# KiCad board SCART_switcher.kicad_pcb (continued)
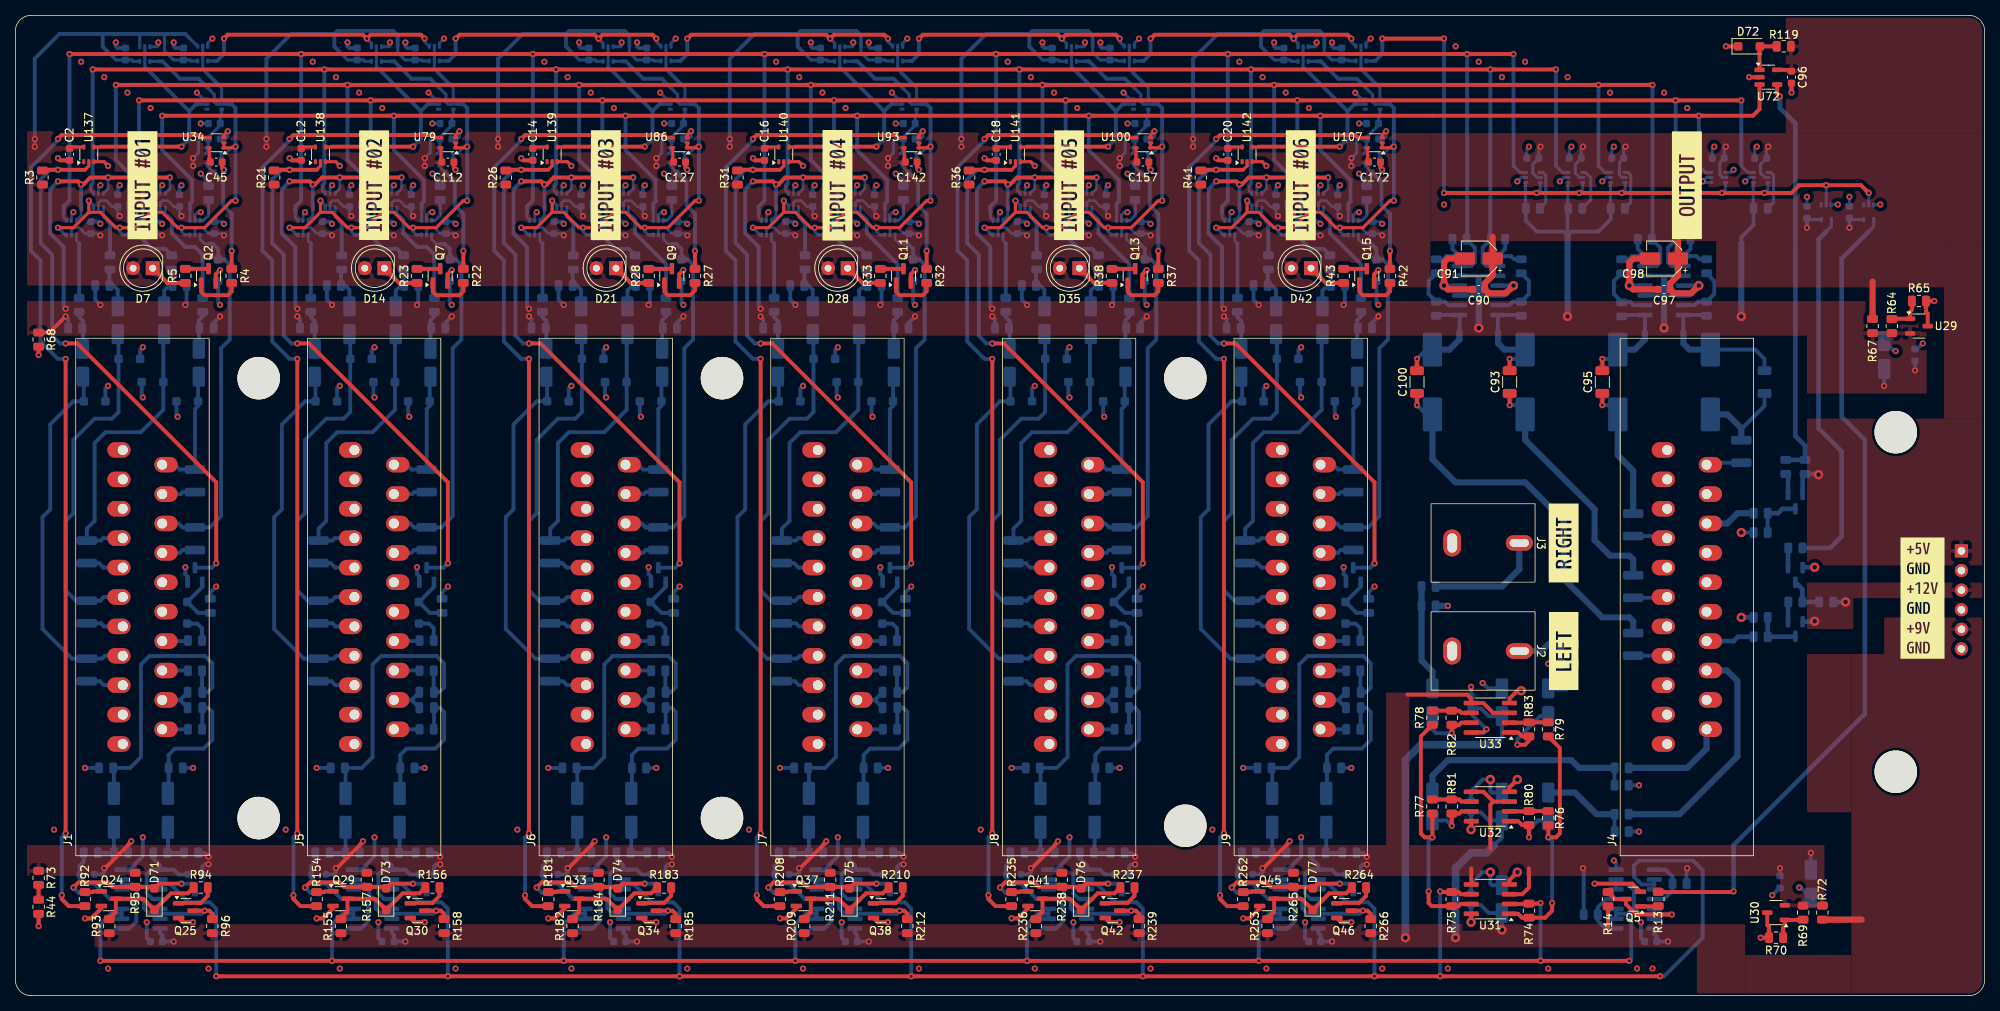
[diagram p0: board, top side]
## Placement (name value [footprint] x y rotation side) (continued)
R153  1kR  [R_0805_2012Metric]  54.25 89.5 90 bottom
R154  10kR  [R_0805_2012Metric]  39 12.5 90 top
R155  4k7R  [R_0805_2012Metric]  42.15 9 90 top
R156  10kR  [R_0805_2012Metric]  54 14 0 top
R157  220kR  [R_0805_2012Metric]  45.5 15 90 top
R158  4k7R  [R_0805_2012Metric]  55.5 9 90 top
R159  100R  [R_0805_2012Metric]  53.25 42.1 0 bottom
R160  100R  [R_0805_2012Metric]  53.25 34.5 0 bottom
R161  220kR  [R_0805_2012Metric]  41.75 29.5 180 bottom
R162  220kR  [R_0805_2012Metric]  50.75 29.5 0 bottom
R163  100kR  [R_0805_2012Metric]  43.66 18.5 0 bottom
R164  100kR  [R_0805_2012Metric]  52.75 18.5 0 bottom
R165  20kR  [R_0805_2012Metric]  39.75 18.5 180 bottom
R166  20kR  [R_0805_2012Metric]  48.75 18.5 180 bottom
R167  75R  [R_1210_3225Metric]  69.25 49.7 270 bottom
R168  75R  [R_1210_3225Metric]  69.25 57.5 270 bottom
R169  100kR  [R_0805_2012Metric]  71.25 92 180 bottom
R170  100kR  [R_0805_2012Metric]  81.25 92 0 bottom
R171  75R  [R_1210_3225Metric]  83.25 59.2 270 bottom
R172  1kR  [R_0805_2012Metric]  72.25 95 90 bottom
R173  1kR  [R_0805_2012Metric]  80.25 95 90 bottom
R174  10kR  [R_0805_2012Metric]  85 104 90 bottom
R175  75R  [R_1210_3225Metric]  69.25 42.2 270 bottom
R176  75R  [R_1210_3225Metric]  83.25 66.7 270 bottom
R177  100kR  [R_0805_2012Metric]  67.75 86.5 180 bottom
R178  100kR  [R_0805_2012Metric]  84.75 86.5 0 bottom
R179  1kR  [R_0805_2012Metric]  68.25 89.5 90 bottom
R180  1kR  [R_0805_2012Metric]  84.25 89.5 90 bottom
R181  10kR  [R_0805_2012Metric]  69 12.5 90 top
R182  4k7R  [R_0805_2012Metric]  72.15 9 90 top
R183  10kR  [R_0805_2012Metric]  84 14 0 top
R184  220kR  [R_0805_2012Metric]  75.5 15 90 top
R185  4k7R  [R_0805_2012Metric]  85.5 9 90 top
R186  100R  [R_0805_2012Metric]  83.25 42.1 0 bottom
R187  100R  [R_0805_2012Metric]  83.25 34.5 0 bottom
R188  220kR  [R_0805_2012Metric]  71.75 29.5 180 bottom
R189  220kR  [R_0805_2012Metric]  80.75 29.5 0 bottom
R190  100kR  [R_0805_2012Metric]  73.66 18.5 0 bottom
R191  100kR  [R_0805_2012Metric]  82.75 18.5 0 bottom
R192  20kR  [R_0805_2012Metric]  69.75 18.5 180 bottom
R193  20kR  [R_0805_2012Metric]  78.75 18.5 180 bottom
R194  75R  [R_1210_3225Metric]  99.25 49.7 270 bottom
R195  75R  [R_1210_3225Metric]  99.25 57.5 270 bottom
R196  100kR  [R_0805_2012Metric]  101.25 92 180 bottom
R197  100kR  [R_0805_2012Metric]  111.25 92 0 bottom
R198  75R  [R_1210_3225Metric]  113.25 59.2 270 bottom
R199  1kR  [R_0805_2012Metric]  102.25 95 90 bottom
R200  1kR  [R_0805_2012Metric]  110.25 95 90 bottom
R201  10kR  [R_0805_2012Metric]  115 104 90 bottom
R202  75R  [R_1210_3225Metric]  99.25 42.2 270 bottom
R203  75R  [R_1210_3225Metric]  113.25 66.7 270 bottom
R204  100kR  [R_0805_2012Metric]  97.75 86.5 180 bottom
R205  100kR  [R_0805_2012Metric]  114.75 86.5 0 bottom
R206  1kR  [R_0805_2012Metric]  98.25 89.5 90 bottom
R207  1kR  [R_0805_2012Metric]  114.25 89.5 90 bottom
R208  10kR  [R_0805_2012Metric]  99 12.5 90 top
R209  4k7R  [R_0805_2012Metric]  102.15 9 90 top
R210  10kR  [R_0805_2012Metric]  114 14 0 top
R211  220kR  [R_0805_2012Metric]  105.5 15 90 top
R212  4k7R  [R_0805_2012Metric]  115.5 9 90 top
R213  100R  [R_0805_2012Metric]  113.25 42.1 0 bottom
R214  100R  [R_0805_2012Metric]  113.25 34.5 0 bottom
R215  220kR  [R_0805_2012Metric]  101.75 29.5 180 bottom
R216  220kR  [R_0805_2012Metric]  110.75 29.5 0 bottom
R217  100kR  [R_0805_2012Metric]  103.66 18.5 0 bottom
R218  100kR  [R_0805_2012Metric]  112.75 18.5 0 bottom
R219  20kR  [R_0805_2012Metric]  99.75 18.5 180 bottom
R220  20kR  [R_0805_2012Metric]  108.75 18.5 180 bottom
R221  75R  [R_1210_3225Metric]  129.25 49.7 270 bottom
R222  75R  [R_1210_3225Metric]  129.25 57.5 270 bottom
R223  100kR  [R_0805_2012Metric]  131.25 92 180 bottom
R224  100kR  [R_0805_2012Metric]  141.25 92 0 bottom
R225  75R  [R_1210_3225Metric]  143.25 59.2 270 bottom
R226  1kR  [R_0805_2012Metric]  132.25 95 90 bottom
R227  1kR  [R_0805_2012Metric]  140.25 95 90 bottom
R228  10kR  [R_0805_2012Metric]  145 104 90 bottom
R229  75R  [R_1210_3225Metric]  129.25 42.2 270 bottom
R230  75R  [R_1210_3225Metric]  143.25 66.7 270 bottom
R231  100kR  [R_0805_2012Metric]  127.75 86.5 180 bottom
R232  100kR  [R_0805_2012Metric]  144.75 86.5 0 bottom
R233  1kR  [R_0805_2012Metric]  128.25 89.5 90 bottom
R234  1kR  [R_0805_2012Metric]  144.25 89.5 90 bottom
R235  10kR  [R_0805_2012Metric]  129 12.5 90 top
R236  4k7R  [R_0805_2012Metric]  132.15 9 90 top
R237  10kR  [R_0805_2012Metric]  144 14 0 top
R238  220kR  [R_0805_2012Metric]  135.5 15 90 top
R239  4k7R  [R_0805_2012Metric]  145.5 9 90 top
R240  100R  [R_0805_2012Metric]  143.25 42.1 0 bottom
R241  100R  [R_0805_2012Metric]  143.25 34.5 0 bottom
R242  220kR  [R_0805_2012Metric]  131.75 29.5 180 bottom
R243  220kR  [R_0805_2012Metric]  140.75 29.5 0 bottom
R244  100kR  [R_0805_2012Metric]  133.66 18.5 0 bottom
R245  100kR  [R_0805_2012Metric]  142.75 18.5 0 bottom
R246  20kR  [R_0805_2012Metric]  129.75 18.5 180 bottom
R247  20kR  [R_0805_2012Metric]  138.75 18.5 180 bottom
R248  75R  [R_1210_3225Metric]  159.25 49.7 270 bottom
R249  75R  [R_1210_3225Metric]  159.25 57.5 270 bottom
R250  100kR  [R_0805_2012Metric]  161.25 92 180 bottom
R251  100kR  [R_0805_2012Metric]  171.25 92 0 bottom
R252  75R  [R_1210_3225Metric]  173.25 59.2 270 bottom
R253  1kR  [R_0805_2012Metric]  162.25 95 90 bottom
R254  1kR  [R_0805_2012Metric]  170.25 95 90 bottom
R255  10kR  [R_0805_2012Metric]  175 104 90 bottom
R256  75R  [R_1210_3225Metric]  159.25 42.2 270 bottom
R257  75R  [R_1210_3225Metric]  173.25 66.7 270 bottom
R258  100kR  [R_0805_2012Metric]  157.75 86.5 180 bottom
R259  100kR  [R_0805_2012Metric]  174.75 86.5 0 bottom
R260  1kR  [R_0805_2012Metric]  158.25 89.5 90 bottom
R261  1kR  [R_0805_2012Metric]  174.25 89.5 90 bottom
R262  10kR  [R_0805_2012Metric]  159 12.5 90 top
R263  4k7R  [R_0805_2012Metric]  162.15 9 90 top
R264  10kR  [R_0805_2012Metric]  174 14 0 top
R265  220kR  [R_0805_2012Metric]  165.5 15 90 top
R266  4k7R  [R_0805_2012Metric]  175.5 9 90 top
R267  100R  [R_0805_2012Metric]  173.25 42.1 0 bottom
R268  100R  [R_0805_2012Metric]  173.25 34.5 0 bottom
R269  220kR  [R_0805_2012Metric]  161.75 29.5 180 bottom
R270  220kR  [R_0805_2012Metric]  170.75 29.5 0 bottom
R271  100kR  [R_0805_2012Metric]  163.66 18.5 0 bottom
R272  100kR  [R_0805_2012Metric]  172.75 18.5 0 bottom
R273  20kR  [R_0805_2012Metric]  159.75 18.5 180 bottom
R274  20kR  [R_0805_2012Metric]  168.75 18.5 180 bottom
U2  74LVC1G08  [SOT-353_SC-70-5]  25.75 108.5 180 bottom
U3  74LVC1G04  [SOT-353_SC-70-5]  234.5 101.5 270 bottom
U4  74LVC1G04  [SOT-353_SC-70-5]  240 101.5 270 bottom
U5  74LVC1G3157  [SOT-363_SC-70-6]  202 106 0 bottom
U6  74LVC1G3157  [SOT-363_SC-70-6]  207.5 106 0 bottom
U7  74LVC1G3157  [SOT-363_SC-70-6]  220.5 106 0 bottom
U8  CD4066  [SOIC-14_3.9x8.7mm_P1.27mm]  209.75 12.5 0 bottom
U9  74LVC1G3157  [SOT-363_SC-70-6]  196.5 106 0 bottom
U10  74LVC1G3157  [SOT-363_SC-70-6]  226 106 0 bottom
U12  74LVC1G08  [SOT-353_SC-70-5]  55.75 108.5 180 bottom
U14  74LVC1G08  [SOT-353_SC-70-5]  85.75 108.5 180 bottom
U16  74LVC1G08  [SOT-353_SC-70-5]  115.75 108.5 180 bottom
U18  74LVC1G08  [SOT-353_SC-70-5]  145.75 108.5 180 bottom
U20  74LVC1G08  [SOT-353_SC-70-5]  175.75 108.5 180 bottom
U29  LM4041LP-ADJ  [SOT-23-3]  246.5 86.75 0 top
U30  LM4041LP-ADJ  [SOT-23-3]  228 10.75 180 top
U31  OPA1656  [SOIC-8_3.9x4.9mm_P1.27mm]  191 12.5 180 top
U32  OPA1656  [SOIC-8_3.9x4.9mm_P1.27mm]  191 24.5 180 top
U33  OPA1656  [SOIC-8_3.9x4.9mm_P1.27mm]  191 36 180 top
U34  74LVC1G08  [SOT-353_SC-70-5]  26.05 110.5 180 top
U35  CD4066  [SOIC-14_3.9x8.7mm_P1.27mm]  16.25 12.5 0 bottom
U36  74LVC1G04  [SOT-353_SC-70-5]  25.75 115.5 0 bottom
U37  74LVC1G08  [SOT-353_SC-70-5]  16.75 122 270 bottom
U38  74LVC1G08  [SOT-353_SC-70-5]  24.25 122.05 270 bottom
U39  74LVC1G04  [SOT-353_SC-70-5]  55.75 115.5 0 bottom
U40  74LVC1G08  [SOT-353_SC-70-5]  46.75 122 270 bottom
U41  74LVC1G08  [SOT-353_SC-70-5]  54.25 122.05 270 bottom
U42  74LVC1G04  [SOT-353_SC-70-5]  85.75 115.5 0 bottom
U43  74LVC1G08  [SOT-353_SC-70-5]  76.75 122 270 bottom
U44  74LVC1G08  [SOT-353_SC-70-5]  84.25 122.05 270 bottom
U45  74LVC1G04  [SOT-353_SC-70-5]  115.75 115.5 0 bottom
U46  74LVC1G08  [SOT-353_SC-70-5]  106.75 122 270 bottom
U47  74LVC1G08  [SOT-353_SC-70-5]  114.25 122.05 270 bottom
U48  74LVC1G04  [SOT-353_SC-70-5]  145.75 115.5 0 bottom
U49  74LVC1G08  [SOT-353_SC-70-5]  136.75 122 270 bottom
U50  74LVC1G08  [SOT-353_SC-70-5]  144.25 122.05 270 bottom
U51  74LVC1G04  [SOT-353_SC-70-5]  175.75 115.5 0 bottom
U52  74LVC1G08  [SOT-353_SC-70-5]  166.75 122 270 bottom
U53  74LVC1G08  [SOT-353_SC-70-5]  174.25 122.05 270 bottom
U60  74LVC1G3157  [SOT-363_SC-70-6]  10.75 103 270 bottom
U61  74LVC1G3157  [SOT-363_SC-70-6]  15.25 99.5 270 bottom
U62  74LVC1G3157  [SOT-363_SC-70-6]  23.25 99.5 270 bottom
U63  74LVC1G3157  [SOT-363_SC-70-6]  7.25 99.5 270 bottom
U64  74LVC1G3157  [SOT-363_SC-70-6]  18.75 103 270 bottom
U71  OPA4354  [SOIC-14_3.9x8.7mm_P1.27mm]  189.5 92 180 bottom
U72  LMV331  [SOT-23-5]  227 119 0 top
U73  OPA4354  [SOIC-14_3.9x8.7mm_P1.27mm]  213.5 92 180 bottom
U74  74LVC1G3157  [SOT-363_SC-70-6]  40.75 103 270 bottom
U75  74LVC1G3157  [SOT-363_SC-70-6]  45.25 99.5 270 bottom
U76  74LVC1G3157  [SOT-363_SC-70-6]  53.25 99.5 270 bottom
U77  74LVC1G3157  [SOT-363_SC-70-6]  37.25 99.5 270 bottom
U78  74LVC1G3157  [SOT-363_SC-70-6]  48.75 103 270 bottom
U79  74LVC1G08  [SOT-353_SC-70-5]  56.05 110.5 180 top
U80  CD4066  [SOIC-14_3.9x8.7mm_P1.27mm]  46.25 12.5 0 bottom
U81  74LVC1G3157  [SOT-363_SC-70-6]  70.75 103 270 bottom
U82  74LVC1G3157  [SOT-363_SC-70-6]  75.25 99.5 270 bottom
U83  74LVC1G3157  [SOT-363_SC-70-6]  83.25 99.5 270 bottom
U84  74LVC1G3157  [SOT-363_SC-70-6]  67.25 99.5 270 bottom
U85  74LVC1G3157  [SOT-363_SC-70-6]  78.75 103 270 bottom
U86  74LVC1G08  [SOT-353_SC-70-5]  86.05 110.5 180 top
U87  CD4066  [SOIC-14_3.9x8.7mm_P1.27mm]  76.25 12.5 0 bottom
U88  74LVC1G3157  [SOT-363_SC-70-6]  100.75 103 270 bottom
U89  74LVC1G3157  [SOT-363_SC-70-6]  105.25 99.5 270 bottom
U90  74LVC1G3157  [SOT-363_SC-70-6]  113.25 99.5 270 bottom
U91  74LVC1G3157  [SOT-363_SC-70-6]  97.25 99.5 270 bottom
U92  74LVC1G3157  [SOT-363_SC-70-6]  108.75 103 270 bottom
U93  74LVC1G08  [SOT-353_SC-70-5]  116.05 110.5 180 top
U94  CD4066  [SOIC-14_3.9x8.7mm_P1.27mm]  106.25 12.5 0 bottom
U95  74LVC1G3157  [SOT-363_SC-70-6]  130.75 103 270 bottom
U96  74LVC1G3157  [SOT-363_SC-70-6]  135.25 99.5 270 bottom
U97  74LVC1G3157  [SOT-363_SC-70-6]  143.25 99.5 270 bottom
U98  74LVC1G3157  [SOT-363_SC-70-6]  127.25 99.5 270 bottom
U99  74LVC1G3157  [SOT-363_SC-70-6]  138.75 103 270 bottom
U100  74LVC1G08  [SOT-353_SC-70-5]  146.05 110.5 180 top
U101  CD4066  [SOIC-14_3.9x8.7mm_P1.27mm]  136.25 12.5 0 bottom
U102  74LVC1G3157  [SOT-363_SC-70-6]  160.75 103 270 bottom
U103  74LVC1G3157  [SOT-363_SC-70-6]  165.25 99.5 270 bottom
U104  74LVC1G3157  [SOT-363_SC-70-6]  173.25 99.5 270 bottom
U105  74LVC1G3157  [SOT-363_SC-70-6]  157.25 99.5 270 bottom
U106  74LVC1G3157  [SOT-363_SC-70-6]  168.75 103 270 bottom
U107  74LVC1G08  [SOT-353_SC-70-5]  176.05 110.5 180 top
U108  CD4066  [SOIC-14_3.9x8.7mm_P1.27mm]  166.25 12.5 0 bottom
U137  74LVC1G14  [SOT-353_SC-70-5]  9.5 109 90 top
U138  74LVC1G14  [SOT-353_SC-70-5]  39.5 109 90 top
U139  74LVC1G14  [SOT-353_SC-70-5]  69.5 109 90 top
U140  74LVC1G14  [SOT-353_SC-70-5]  99.5 109 90 top
U141  74LVC1G14  [SOT-353_SC-70-5]  129.5 109 90 top
U142  74LVC1G14  [SOT-353_SC-70-5]  159.5 109 90 top

## Library data of the parts
C1-C20 C30 C33 C35-C37 C45 C50-C68 C77-C79 C82 C83 C90 C96 C97 C105-C107 C110-C112 C117 C120-C122 C125-C127 C132 C135-C137 C140-C142 C147 C150-C152 C155-C157 C162 C165-C167 C170-C172 C177 = -: Datasheet: https://datasheet.lcsc.com/lcsc/1810271710_Samsung-Electro-Mechanics-CL10B104KO8NNNC_C66501.pdf; MPN: CL10B104KO8NNNC; Status: OK; ki_fp_filters: C_*
C31 C34 C38-C44 C91 C98 = -: Datasheet: https://www.lcsc.com/datasheet/lcsc_datasheet_2409291036_Nichicon-UWT1C100MCL1GB_C445074.pdf; MPN: UWT1C100MCL1GB; Status: OK; ki_fp_filters: CP_*
C46 C47 C113 C114 C128 C129 C143 C144 C158 C159 C173 C174 = -: Datasheet: https://datasheet.lcsc.com/lcsc/2304140030_YAGEO-CC0805JRNPO9BN102_C62774.pdf; Status: OK; MPN: CC0805JRNPO9BN102; ki_fp_filters: C_*
C48 C49 C115 C116 C130 C131 C145 C146 C160 C161 C175 C176 = -: Datasheet: https://www.lcsc.com/datasheet/lcsc_datasheet_2409291036_Nichicon-UWT1C220MCL1GB_C445073.pdf; MPN: UWT1C220MCL1GB; Status: OK; ki_fp_filters: CP_*
C75 C76 C80 C81 C103 C104 C108 C109 C118 C119 C123 C124 C133 C134 C138 C139 C148 C149 C153 C154 C163 C164 C168 C169 = -: Datasheet: https://www.lcsc.com/datasheet/lcsc_datasheet_1912111437_PANASONIC-EEEFKJ470UAR_C401735.pdf; MPN: EEEFKJ470UAR; Status: OK; ki_fp_filters: CP_*
C92 C94 C99 C101 = -: Datasheet: https://datasheet.lcsc.com/lcsc/2304140030_PANASONIC-EEEFT1C102AP_C178587.pdf; Status: OK; MPN: EEEFT1C102AP; ki_fp_filters: CP_*
C93 C95 C100 C102 = -: Datasheet: https://datasheet.lcsc.com/lcsc/1810201313_Murata-Electronics-GRM31C5C1H104JA01L_C97946.pdf; MPN: GRM31C5C1H104JA01L; Status: OK; ki_fp_filters: C_*
D1-D5 D8-D12 D15-D19 D22-D26 D29-D33 D36-D40 = -: Datasheet: https://datasheet.lcsc.com/lcsc/2304140030_Nexperia-BZT52H-B6V8-115_C550337.pdf; MPN: BZT52H-B6V8,115; MPN_MOUSER: BZT52H-B6V8,115; Status: OK; ki_fp_filters: D?SOD?123F*
D6 D13 D20 D27 D34 D41 = -: Datasheet: https://datasheet.lcsc.com/lcsc/1806151527_Nexperia-BZT52H-C3V3-115_C59206.pdf; MPN: BZT52H-C3V3,115; MPN_MOUSER: BZT52H-C3V3,115; Status: OK; ki_fp_filters: D?SOD?123F*
D7 D14 D21 D28 D35 D42 = -: Datasheet: https://datasheet.lcsc.com/lcsc/1810271709_Everlight-Elec-333-2SURD-S530-A3_C87271.pdf; MPN: 333-2SURD/S530-A3; Status: OK; ki_fp_filters: LED* LED_SMD:* LED_THT:*
D71-D77 = -: Datasheet: https://datasheet.lcsc.com/lcsc/2304140030_Nexperia-BAS16H-115_C130413.pdf; MPN: BAS16H,115; MPN_MOUSER: BAS16H,115; Status: OK; ki_fp_filters: D*SOD?323*
H1-H8 = -: Description: Mounting Hole without connection; ki_fp_filters: MountingHole*
J1 J4-J9 = -: Description: Prise Peritel; Status: OK
J2 J3 = -: Description: coaxial connector (BNC, SMA, SMB, SMC, Cinch/RCA, LEMO, ...); Status: OK; ki_fp_filters: *BNC* *SMA* *SMB* *SMC* *Cinch* *LEMO* *UMRF* *MCX* *U.FL*
J14 = -: ki_fp_filters: Connector*:*_1x??_*
Q1-Q3 Q5-Q15 Q24 Q25 Q29 Q30 Q33 Q34 Q37 Q38 Q41 Q42 Q45 Q46 = -: Datasheet: https://datasheet.lcsc.com/lcsc/1811141238_Nexperia-BC847C-215_C8664.pdf; MPN: BC847C,215; Status: OK; MPN_MOUSER: BC847C,215; ki_fp_filters: SOT?23*
Q4 Q28 = -: Datasheet: https://datasheet.lcsc.com/lcsc/2304140030_Nexperia-BC857C-215_C8666.pdf; Status: OK; MPN: BC857C,215; MPN_MOUSER: BC857C,215; ki_fp_filters: SOT?23*
Q26 Q27 Q31 Q32 Q35 Q36 Q39 Q40 Q43 Q44 Q47 Q48 = -: Datasheet: https://datasheet.lcsc.com/lcsc/1810271708_TOSHIBA-2SK209-GR-TE85L-F_C61792.pdf; MPN: 2SK209-GR(TE85L,F); Status: OK; MPN_MOUSER: MMBFJ113; ki_fp_filters: SOT?23*
R1 R6-R8 R13 R19 R24 R29 R34 R39 R92 R94 R112 R127 R147 R154 R156 R174 R181 R183 R201 R208 R210 R228 R235 R237 R255 R262 R264 = -: Datasheet: https://datasheet.lcsc.com/lcsc/1810171610_YAGEO-RC0805JR-0710KL_C100047.pdf; MPN: RC0805JR-0710KL; Status: OK; R % tol: 5%; R pwr: 125mW; ki_fp_filters: R_*
R2 R20 R25 R30 R35 R40 R84-R87 R95 R99 R100 R157 R161 R162 R184 R188 R189 R211 R215 R216 R238 R242 R243 R265 R269 R270 = -: Datasheet: https://datasheet.lcsc.com/lcsc/1810311425_YAGEO-RC0805JR-07220KL_C114232.pdf; Status: OK; MPN: RC0805JR-07220KL; R % tol: 5%; R pwr: 125mW; ki_fp_filters: R_*
R3 R4 R14 R21 R22 R26 R27 R31 R32 R36 R37 R41 R42 R93 R96 R119 R124 R155 R158 R182 R185 R209 R212 R236 R239 R263 R266 = -: Datasheet: https://datasheet.lcsc.com/lcsc/2304140030_YAGEO-RC0805JR-074K7L_C105427.pdf; Status: OK; MPN: RC0805JR-074K7L; R % tol: 5%; R pwr: 125mW; ki_fp_filters: R_*
R5 R23 R28 R33 R38 R43 = -: Datasheet: https://www.lcsc.com/datasheet/lcsc_datasheet_2304140030_YAGEO-RC0805FR-07300RL_C114529.pdf; Status: OK; MPN: RC0805FR-07300RL; R % tol: 5%; R pwr: 500mW; ki_fp_filters: R_*
R9 = -: Datasheet: https://datasheet.lcsc.com/lcsc/2304140030_YAGEO-RC0805JR-07100KL_C100049.pdf; MPN: RC0805JR-07100KL; Status: OK; R % tol: 5%; R pwr: 125mW; ki_fp_filters: R_*
R10 R88-R91 R97 R98 R129 R159 R160 R186 R187 R213 R214 R240 R241 R267 R268 = -: Datasheet: https://datasheet.lcsc.com/lcsc/2304140030_YAGEO-RT0805FRD07100RL_C143843.pdf; Status: OK; MPN: RT0805FRD07100RL; R % tol: 1%; R pwr: 125mW; ki_fp_filters: R_*
R11 R12 R15-R18 R101 R102 R107 R108 R115 R116 R128 R142 R143 R150 R151 R163 R164 R169 R170 R177 R178 R190 R191 R196 R197 R204 R205 R217 R218 R223 R224 R231 R232 R244 R245 R250 R251 R258 R259 R271 R272 = -: Datasheet: https://datasheet.lcsc.com/lcsc/2304140030_YAGEO-RC0805JR-07100KL_C100049.pdf; Status: OK; MPN: RC0805JR-07100KL; R % tol: 5%; R pwr: 125mW; ki_fp_filters: R_*
R44 R65 R68 R70 R73 = -: Datasheet: https://datasheet.lcsc.com/lcsc/2304140030_YAGEO-RT0805BRD071KL_C110774.pdf; MPN: RT0805BRD071KL; Status: OK; R % tol: 0.1%; R pwr: 125mW; ki_fp_filters: R_*
R64 = -: Datasheet: https://www.lcsc.com/datasheet/lcsc_datasheet_2409280130_RESI-PTFR0805B976RP9_C2849392.pdf; MPN: PTFR0805B976RP9; Status: OK; R % tol: 0.1%; R pwr: 125mW; ki_fp_filters: R_*
R67 = -: Datasheet: https://www.lcsc.com/datasheet/lcsc_datasheet_2409280130_RESI-PTFR0805B523RP9_C2849265.pdf; MPN: PTFR0805B523RP9; Status: OK; ki_fp_filters: R_*
R69 = -: Datasheet: https://datasheet.lcsc.com/lcsc/2310201549_RESI-PTFR0805B374RP9_C2849198.pdf; MPN: PTFR0805B374RP9; Status: OK; R % tol: 0.1%; R pwr: 130mW; ki_fp_filters: R_*
R72 = -: Datasheet: https://www.lcsc.com/datasheet/lcsc_datasheet_2409280130_RESI-PTFR0805B681RP9_C2849316.pdf; MPN: PTFR0805B681RP9; Status: OK; ki_fp_filters: R_*
R74-R83 R103 R104 R165 R166 R192 R193 R219 R220 R246 R247 R273 R274 = -: Datasheet: https://www.lcsc.com/datasheet/lcsc_datasheet_2311211102_YAGEO-RT0805BRD0720KL_C469660.pdf; Status: OK; MPN: RT0805BRD0720KL; R % tol: 1%; R pwr: 125mW; ki_fp_filters: R_*
R105 R106 R109 R113 R114 R130 R131 R138-R141 R144 R148 R149 R167 R168 R171 R175 R176 R194 R195 R198 R202 R203 R221 R222 R225 R229 R230 R248 R249 R252 R256 R257 = -: Datasheet: https://datasheet.lcsc.com/lcsc/2304140030_YAGEO-AC1210FR-0775RL_C230341.pdf; Status: OK; MPN: AC1210FR-0775RL; R % tol: 1%; R pwr: 500mW; ki_fp_filters: R_*
R110 R111 R117 R118 R120-R123 R132-R135 R145 R146 R152 R153 R172 R173 R179 R180 R199 R200 R206 R207 R226 R227 R233 R234 R253 R254 R260 R261 = -: Datasheet: https://datasheet.lcsc.com/lcsc/2304140030_YAGEO-RT0805BRD071KL_C110774.pdf; Status: OK; MPN: RT0805BRD071KL; R % tol: 0.1%; R pwr: 125mW; ki_fp_filters: R_*
R125 R126 R136 R137 = -: Datasheet: https://datasheet.lcsc.com/lcsc/2010201809_YAGEO-RT0805BRE072KL_C706274.pdf; Status: OK; MPN: RT0805BRE072KL; R % tol: 0.1%; R pwr: 125mW; ki_fp_filters: R_*
U2 U12 U14 U16 U18 U20 U34 U37 U38 U40 U41 U43 U44 U46 U47 U49 U50 U52 U53 U79 U86 U93 U100 U107 = -: Datasheet: https://datasheet.lcsc.com/lcsc/1809051811_Texas-Instruments-SN74LVC1G08DCKR_C7832.pdf; MPN: SN74LVC1G08DCKR; Status: OK; MPN_MOUSER: SN74LVC1G08DCKR; ki_fp_filters: SOT* SG-*
U3 U4 U36 U39 U42 U45 U48 U51 = -: Datasheet: https://datasheet.lcsc.com/lcsc/1811021113_Texas-Instruments-SN74LVC1G04DCKR_C8207.pdf; MPN: SN74LVC1G04DCKR; Status: OK; MPN_MOUSER: SN74LVC1G04DCKR; ki_fp_filters: SOT* SG-*
U5-U7 U9 U10 U60-U64 U74-U78 U81-U85 U88-U92 U95-U99 U102-U106 = -: Datasheet: https://datasheet.lcsc.com/lcsc/1811031937_Texas-Instruments-SN74LVC1G3157DCKR_C38663.pdf; MPN: SN74LVC1G3157DCKR; Status: OK; MPN_MOUSER: SN74LVC1G3157DCKR; ki_fp_filters: SOT?23*
U8 U35 U80 U87 U94 U101 U108 = -: Datasheet: https://datasheet.lcsc.com/lcsc/1810171510_Texas-Instruments-CD4066BM96_C54755.pdf; MPN: CD4066BM96; Status: OK; MPN_MOUSER: CD4066BM96; ki_fp_filters: TSSOP*4.4x5mm*P0.65mm*
U29 U30 = -: Datasheet: https://datasheet.lcsc.com/lcsc/2303020130_Texas-Instruments-LM4041DIDBZT_C1848455.pdf; MPN: LM4041DIDBZT; Status: OK; MPN_MOUSER: LM4041DIDBZT; ki_fp_filters: TO?92*
U31-U33 = -: Datasheet: https://datasheet.lcsc.com/lcsc/2303020130_Texas-Instruments-OPA1656IDR_C1849431.pdf; MPN: OPA1656IDR; Status: OK; MPN_MOUSER: OPA1656IDR; ki_fp_filters: SOIC*3.9x4.9mm*P1.27mm* DIP*W7.62mm* TO*99* OnSemi*Micro8* TSSOP*3x3mm*P0.65mm* TSSOP*4.4x3mm*P0.65mm* MSOP*3x3mm*P0.65mm* SSOP*3.9x4.9mm*P0.635mm* LFCSP*2x2mm*P0.5mm* *SIP* SOIC*5.3x6.2mm*P1.27mm*
U71 U73 = -: Datasheet: https://datasheet.lcsc.com/lcsc/1912111437_Texas-Instruments-OPA4354AIDR_C440031.pdf; MPN: OPA4354AIDR; Status: OK; MPN_MOUSER: OPA4354AIDR; ki_fp_filters: SOIC*3.9x8.7mm*P1.27mm*
U72 = -: Datasheet: https://datasheet.lcsc.com/lcsc/1809251740_Texas-Instruments-LMV331IDBVR_C34731.pdf; MPN: LMV331IDBVR; Status: OK; MPN_MOUSER: LMV331IDBVR; ki_fp_filters: SOT?23* *SC?70*
U137-U142 = -: Datasheet: https://datasheet.lcsc.com/lcsc/1811032110_Texas-Instruments-SN74LVC1G14DCKR_C35740.pdf; Description: Single Schmitt NOT Gate, Low-Voltage CMOS; MPN: SN74LVC1G14DCKR; MPN_MOUSER: SN74LVC1G14DCKR; Status: OK; ki_fp_filters: SOT?23* SOT?553*

## Footprints (pads in the part's own frame, mm; a bottom-side part is the same pattern mirrored in y, then rotated)
C_0603_1608Metric
  rrect 0.9x0.95 smd: 1(-0.775,0) 2(0.775,0)
C_0805_2012Metric
  rrect 1x1.45 smd: 1(-0.95,0) 2(0.95,0)
C_1206_3216Metric
  rrect 1.15x1.8 smd: 1(-1.475,0) 2(1.475,0)
CP_Elec_4x5.4
  rrect 2.6x1.6 smd: 1(-1.8,0) 2(1.8,0)
CP_Elec_4x5.8
  rrect 2.6x1.6 smd: 1(-1.8,0) 2(1.8,0)
CP_Elec_5x5.4
  rrect 3x1.6 smd: 1(-2.2,0) 2(2.2,0)
CP_Elec_10x10.5
  rrect 4.4x2.5 smd: 1(-4.2,0) 2(4.2,0)
D_SOD-123F
  rrect 1.1x1.1 smd: 1(-1.4,0) 2(1.4,0)
LED_D5.0mm
  rect 1.8x1.8 hole 0.9: 1(0,0)
  round 1.8 hole 0.9: 2(2.54,0)
MountingHole_5.5mm
  round 5.5 hole 5.5 unplated: (0,0)
PinHeader_1x06_P2.54mm_Vertical
  rect 1.7x1.7 hole 1: 1(0,0)
  oval 1.7x1.7 hole 1: 2(0,-2.54) 3(0,-5.08) 4(0,-7.62) 5(0,-10.16) 6(0,-12.7)
R_0805_2012Metric
  rrect 1.025x1.4 smd: 1(-0.912,0) 2(0.912,0)
R_1210_3225Metric
  rrect 1.125x2.65 smd: 1(-1.462,0) 2(1.462,0)
RCA_Vertical
  oval 2x3.5 hole 1x2.5: 1(0,3.3)
  oval 3.5x2.3 hole 2.5x1.3: 2(0,-5.4)
SC-59
  rrect 0.9x0.8 smd: 1(-1.2,0.95) 2(-1.2,-0.95) 3(1.2,0)
SCART-F
  oval 2x3 hole 1.3: 1(-19.05,2.55) 2(-17.145,-2.55) 3(-15.24,2.55) 4(-13.335,-2.55) 5(-11.43,2.55) 6(-9.525,-2.55) 7(-7.62,2.55) 8(-5.715,-2.55) 9(-3.81,2.55) 10(-1.905,-2.55) 11(0,2.55) 12(1.905,-2.55) 13(3.81,2.55) 14(5.715,-2.55) 15(7.62,2.55) 16(9.525,-2.55) 17(11.43,2.55) 18(13.335,-2.55) 19(15.24,2.55) 20(17.145,-2.55) 21(19.05,2.55)
SOIC-8_3.9x4.9mm_P1.27mm
  rrect 1.95x0.6 smd: 1(-2.475,1.905) 2(-2.475,0.635) 3(-2.475,-0.635) 4(-2.475,-1.905) 5(2.475,-1.905) 6(2.475,-0.635) 7(2.475,0.635) 8(2.475,1.905)
SOIC-14_3.9x8.7mm_P1.27mm
  rrect 1.95x0.6 smd: 1(-2.475,3.81) 2(-2.475,2.54) 3(-2.475,1.27) 4(-2.475,0) 5(-2.475,-1.27) 6(-2.475,-2.54) 7(-2.475,-3.81) 8(2.475,-3.81) 9(2.475,-2.54) 10(2.475,-1.27) 11(2.475,0) 12(2.475,1.27) 13(2.475,2.54) 14(2.475,3.81)
SOT-23
  rrect 1.475x0.6 smd: 1(-0.938,0.95) 2(-0.938,-0.95) 3(0.938,0)
SOT-23-3
  rrect 1.325x0.6 smd: 1(-1.137,0.95) 2(-1.137,-0.95) 3(1.137,0)
SOT-23-5
  rrect 1.325x0.6 smd: 1(-1.137,0.95) 2(-1.137,0) 3(-1.137,-0.95) 4(1.137,-0.95) 5(1.137,0.95)
SOT-353_SC-70-5
  rrect 0.65x0.4 smd: 1(-0.95,0.65) 2(-0.95,0) 3(-0.95,-0.65) 4(0.95,-0.65) 5(0.95,0.65)
SOT-363_SC-70-6
  rrect 0.65x0.4 smd: 1(-0.95,0.65) 2(-0.95,0) 3(-0.95,-0.65) 4(0.95,-0.65) 5(0.95,0) 6(0.95,0.65)

## Nets
+2V5: C30.1 C31.1 R11.2 R12.2 R16.2 R17.2 R64.1 R67.2 R68.1 R107.2 R108.2 R115.2 R116.2 R142.2 R143.2 R150.2 R151.2 R169.2 R170.2 R177.2 R178.2 R196.2 R197.2 R204.2 R205.2 R223.2 R224.2 R231.2 R232.2 R250.2 R251.2 R258.2 R259.2 U5.1 U6.1 U9.1 U10.1 U29.2 U60.3 U61.3 U63.3 U64.3 U71.3 U71.5 U71.10 U71.12 U73.3 U73.5 U73.10 U73.12 U74.3 U75.3 U77.3 U78.3 U81.3 U82.3 U84.3 U85.3 U88.3 U89.3 U91.3 U92.3 U95.3 U96.3 U98.3 U99.3 U102.3 U103.3 U105.3 U106.3
+4V5: C33.1 C34.1 Q26.2 Q27.2 Q31.2 Q32.2 Q35.2 Q36.2 Q39.2 Q40.2 Q43.2 Q44.2 Q47.2 Q48.2 R15.2 R18.2 R69.1 R72.2 R73.1 R95.2 R101.2 R102.2 R157.2 R163.2 R164.2 R184.2 R190.2 R191.2 R211.2 R217.2 R218.2 R238.2 R244.2 R245.2 R265.2 R271.2 R272.2 U30.2 U31.3 U31.5 U32.3 U32.5 U33.3 U33.5
+5V: C1.1 C2.1 C3.1 C4.1 C5.1 C6.1 C7.1 C8.1 C9.1 C11.1 C12.1 C13.1 C14.1 C15.1 C16.1 C17.1 C18.1 C19.1 C20.1 C45.1 C51.1 C52.1 C53.1 C54.1 C55.1 C56.1 C57.1 C58.1 C59.1 C60.1 C61.1 C62.1 C63.1 C64.1 C65.1 C66.1 C67.1 C68.1 C77.1 C78.1 C79.1 C82.1 C83.1 C90.1 C91.1 C96.1 C97.1 C98.1 C105.1 C106.1 C107.1 C110.1 C111.1 C112.1 C120.1 C121.1 C122.1 C125.1 C126.1 C127.1 C135.1 C136.1 C137.1 C140.1 C141.1 C142.1 C150.1 C151.1 C152.1 C155.1 C156.1 C157.1 C165.1 C166.1 C167.1 C170.1 C171.1 C172.1 D7.2 D14.2 D21.2 D28.2 D35.2 D42.2 J14.1 Q28.2 R3.1 R21.1 R26.1 R31.1 R36.1 R41.1 R67.1 R119.1 R124.1 U2.5 U3.5 U4.5 U5.5 U6.5 U7.5 U9.5 U10.5 U12.5 U14.5 U16.5 U18.5 U20.5 U34.5 U36.5 U37.1 U37.5 U38.1 U38.5 U39.5 U40.5 U41.5 U42.5 U43.5 U44.5 U45.5 U46.5 U47.5 U48.5 U49.5 U50.5 U51.5 U52.5 U53.5 U60.5 U61.5 U62.5 U63.5 U64.5 U71.4 U72.5 U73.4 U74.5 U75.5 U76.5 U77.5 U78.5 U79.5 U81.5 U82.5 U83.5 U84.5 U85.5 U86.5 U88.5 U89.5 U90.5 U91.5 U92.5 U93.5 U95.5 U96.5 U97.5 U98.5 U99.5 U100.5 U102.5 U103.5 U104.5 U105.5 U106.5 U107.5 U137.5 U138.5 U139.5 U140.5 U141.5 U142.5
+9V: C10.1 C35.1 C36.1 C37.1 C38.1 C39.1 C40.1 C50.1 C117.1 C132.1 C147.1 C162.1 C177.1 J14.5 R14.1 R72.1 R93.1 R96.1 R155.1 R158.1 R182.1 R185.1 R209.1 R212.1 R236.1 R239.1 R263.1 R266.1 U8.14 U31.8 U32.8 U33.8 U35.14 U80.14 U87.14 U94.14 U101.14 U108.14
+12V: J14.3 Q4.2 R7.1
/SCART output/Video output stage/0.7V: D72.2 R119.2 U72.1
GND: C1.2 C2.2 C3.2 C4.2 C5.2 C6.2 C7.2 C8.2 C9.2 C10.2 C11.2 C12.2 C13.2 C14.2 C15.2 C16.2 C17.2 C18.2 C19.2 C20.2 C30.2 C31.2 C33.2 C34.2 C35.2 C36.2 C37.2 C38.2 C39.2 C40.2 C45.2 C46.2 C47.2 C50.2 C51.2 C52.2 C53.2 C54.2 C55.2 C56.2 C57.2 C58.2 C59.2 C60.2 C61.2 C62.2 C63.2 C64.2 C65.2 C66.2 C67.2 C68.2 C77.2 C78.2 C79.2 C82.2 C83.2 C90.2 C91.2 C96.2 C97.2 C98.2 C105.2 C106.2 C107.2 C110.2 C111.2 C112.2 C113.2 C114.2 C117.2 C120.2 C121.2 C122.2 C125.2 C126.2 C127.2 C128.2 C129.2 C132.2 C135.2 C136.2 C137.2 C140.2 C141.2 C142.2 C143.2 C144.2 C147.2 C150.2 C151.2 C152.2 C155.2 C156.2 C157.2 C158.2 C159.2 C162.2 C165.2 C166.2 C167.2 C170.2 C171.2 C172.2 C173.2 C174.2 C177.2 D1.2 D2.2 D3.2 D4.2 D5.2 D8.2 D9.2 D10.2 D11.2 D12.2 D15.2 D16.2 D17.2 D18.2 D19.2 D22.2 D23.2 D24.2 D25.2 D26.2 D29.2 D30.2 D31.2 D32.2 D33.2 D36.2 D37.2 D38.2 D39.2 D40.2 D72.1 J1.4 J1.5 J1.9 J1.13 J1.14 J1.18 J1.21 J2.2 J3.2 J4.4 J4.5 J4.9 J4.13 J4.14 J4.18 J4.21 J5.4 J5.5 J5.9 J5.13 J5.14 J5.18 J5.21 J6.4 J6.5 J6.9 J6.13 J6.14 J6.18 J6.21 J7.4 J7.5 J7.9 J7.13 J7.14 J7.18 J7.21 J8.4 J8.5 J8.9 J8.13 J8.14 J8.18 J8.21 J9.4 J9.5 J9.9 J9.13 J9.14 J9.18 J9.21 J14.2 J14.4 J14.6 Q1.2 Q2.2 Q3.2 Q5.2 Q6.2 Q7.2 Q8.2 Q9.2 Q10.2 Q11.2 Q12.2 Q13.2 Q14.2 Q15.2 Q24.2 Q25.2 Q29.2 Q30.2 Q33.2 Q34.2 Q37.2 Q38.2 Q41.2 Q42.2 Q45.2 Q46.2 R2.2 R9.2 R20.2 R25.2 R30.2 R35.2 R40.2 R44.2 R65.2 R68.2 R70.2 R84.2 R85.2 R86.2 R87.2 R99.2 R100.2 R105.2 R106.2 R109.2 R112.2 R113.2 R114.2 R128.2 R140.2 R141.2 R144.2 R147.2 R148.2 R149.2 R161.2 R162.2 R167.2 R168.2 R171.2 R174.2 R175.2 R176.2 R188.2 R189.2 R194.2 R195.2 R198.2 R201.2 R202.2 R203.2 R215.2 R216.2 R221.2 R222.2 R225.2 R228.2 R229.2 R230.2 R242.2 R243.2 R248.2 R249.2 R252.2 R255.2 R256.2 R257.2 R269.2 R270.2 U2.3 U3.3 U4.3 U5.2 U6.2 U7.1 U7.2 U7.4 U8.7 U9.2 U10.2 U12.3 U14.3 U16.3 U18.3 U20.3 U29.3 U30.3 U31.4 U32.4 U33.4 U34.3 U35.7 U36.3 U37.3 U38.3 U39.3 U40.3 U41.3 U42.3 U43.3 U44.3 U45.3 U46.3 U47.3 U48.3 U49.3 U50.3 U51.3 U52.3 U53.3 U60.2 U61.2 U62.2 U63.2 U64.2 U71.11 U72.2 U73.11 U74.2 U75.2 U76.2 U77.2 U78.2 U79.3 U80.7 U81.2 U82.2 U83.2 U84.2 U85.2 U86.3 U87.7 U88.2 U89.2 U90.2 U91.2 U92.2 U93.3 U94.7 U95.2 U96.2 U97.2 U98.2 U99.2 U100.3 U101.7 U102.2 U103.2 U104.2 U105.2 U106.2 U107.3 U108.7 U137.3 U138.3 U139.3 U140.3 U141.3 U142.3
/AUDIO_LEFT: R74.1 U8.2 U8.3 U31.2 U35.2 U35.3 U80.2 U80.3 U87.2 U87.3 U94.2 U94.3 U101.2 U101.3 U108.2 U108.3
/AUDIO_RIGHT: R75.1 U8.9 U8.10 U31.6 U35.9 U35.10 U80.9 U80.10 U87.9 U87.10 U94.9 U94.10 U101.9 U101.10 U108.9 U108.10
/BLANKING: U7.3 U62.1 U72.3 U76.1 U83.1 U90.1 U97.1 U104.1
/BLUE: R132.1 U9.3 U63.1 U71.13 U77.1 U84.1 U91.1 U98.1 U105.1
/GREEN: R120.1 U5.3 U60.1 U71.2 U74.1 U81.1 U88.1 U95.1 U102.1
/RED: R121.1 U6.3 U61.1 U73.13 U75.1 U82.1 U89.1 U96.1 U103.1
/SCART input 1/Audio input stage/AUDIO_OUT_ENABLE: Q25.3 R96.2 U35.5 U35.6 U35.12 U35.13
/SCART input 1/Audio input stage/MUTE: D71.2 Q26.3 Q27.3 R95.1
/SCART input 1/AUDIO_LEFT_SCART_IN: J1.6 R97.1
/SCART input 1/AUDIO_RIGHT_SCART_IN: J1.2 R98.1
/SCART input 1/BLANKING_SCART_IN: D5.1 J1.16 R109.1 U62.4
/SCART input 1/BLUE_SCART_IN: C80.2 D3.1 J1.7 R113.1
/SCART input 1/CARRY_OUT: U38.4 U40.1 U41.1
/SCART input 1/FUNCTION_SCART_IN: J1.8 R1.1
/SCART input 1/GREEN_SCART_IN: C75.2 D2.1 J1.11 R105.1
/SCART input 1/IN_ACTIVE: U36.2 U37.2 U137.4
